# KiCad board rp2040-decoder.kicad_pcb (continued)
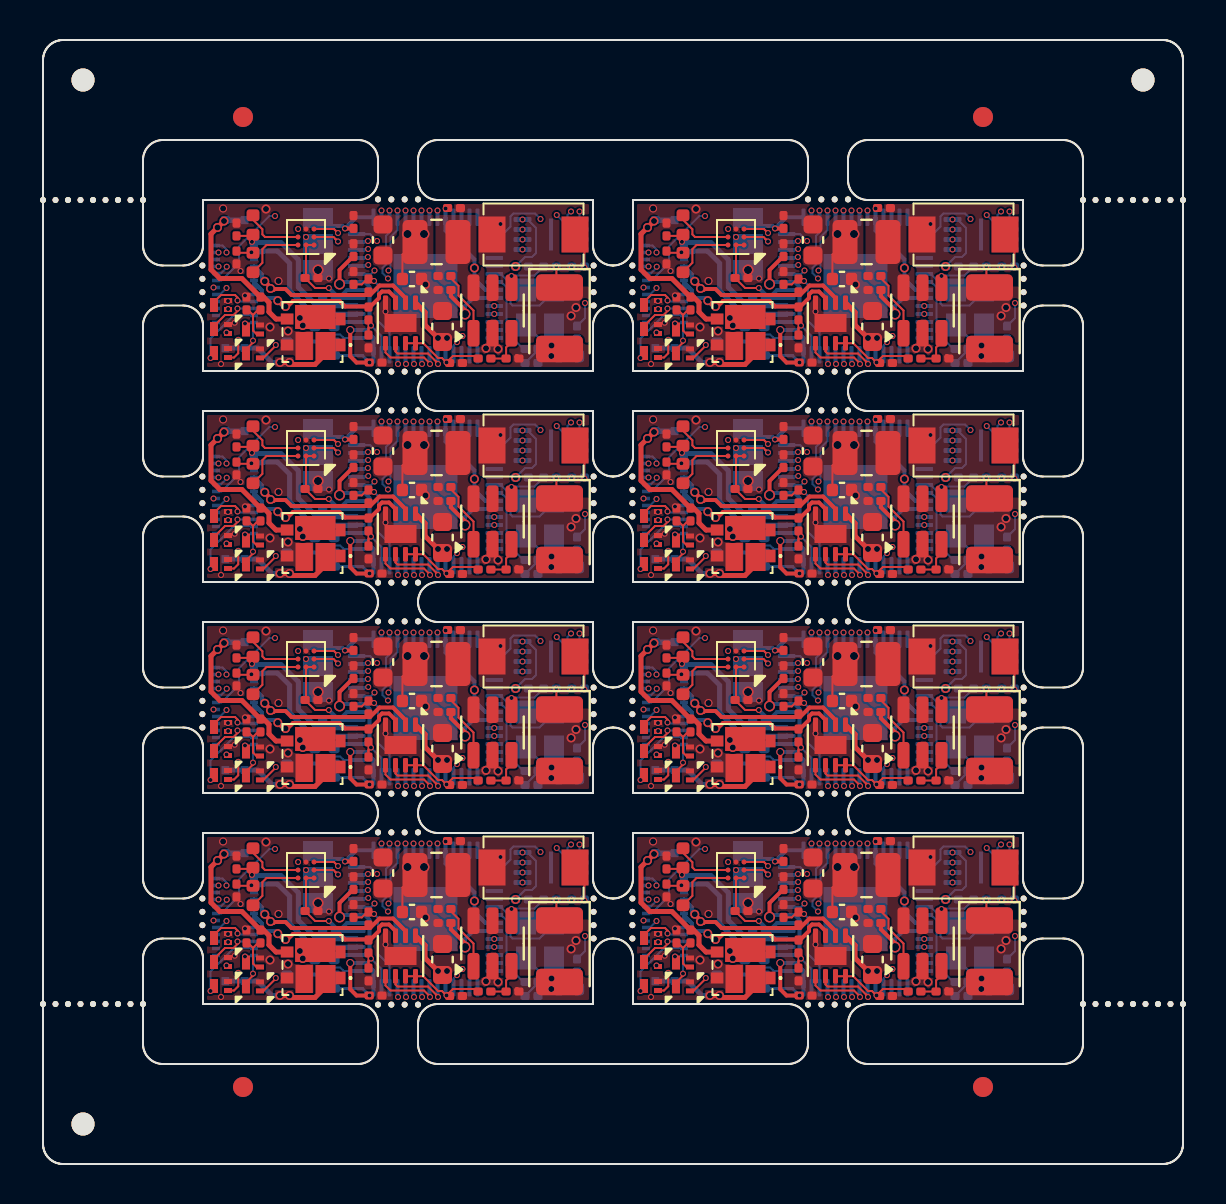
[diagram p0: board, top side]
## Routing (per net, layer and track width the routed paths; a pad name or vN(x,y) marks a point on that pad's centre or on a via; arc(x,y) is an arc through that point) (continued)
Board_3-/ADC_EMF_A: length 2.8
  Top w0.1: v3(37.9,31.37) 37.78,31.25 37.78,31.07 ; R11#8.1 R12.2
  Bottom w0.1: v3(37.9,31.37) 38.43,30.84 U3#8.41
Board_3-/ADC_EMF_B: length 5.2
  Top w0.1: v3(38.05,33.6) 37.89,33.76 37.78,33.76 37.44,33.43 R14#8.2
  Bottom w0.1: v3(38.05,33.6) 38.25,33.4 38.25,31.6 38.82,31.03 U3#8.40
Board_3-/AUX1 (VDC): length 3.6
  Bottom w0.1: v3(29.88,29.75) 29.88,30.73 31.05,31.9 32.03,31.9 J4#3.11
Board_3-/AUX2 (VDC): length 1.7
  Top w0.1: v3(32,30.62) 32,30.53 31.65,30.17 Q5#6.3
  Bottom w0.1: v3(32,30.62) 32,31.11 32.05,31.16 J4#3.12
Board_3-/AUX3: length 11.3
  In2.Cu w0.1: v3(39.62,37.12) 39.62,37.1 38.91,36.38 38.18,36.38 37.83,36.73 33.97,36.73 33.39,36.15 31.62,36.15 31.07,35.6 31.07,34.78 30.92,34.62 30.57,34.62 v3(30.28,34.33)
Board_3-/AUX4: length 12
  In2.Cu w0.1: v3(40.03,37.12) 40.03,37.1 39.11,36.18 38.09,36.18 37.75,36.53 34.05,36.53 33.47,35.95 31.71,35.95 31.28,35.52 31.28,34.65 30.94,34.31 v3(30.69,34.31)
  Bottom w0.1: J4#3.20 30.39,33.98 30.69,34.27 v3(30.69,34.31)
Board_3-/AUX10: length 10.6
  In2.Cu w0.1: v3(33.1,36.85) 33.63,37.38 38.03,37.38 38.43,36.98 v3(38.43,37.12)
  Bottom w0.1: v3(33.1,36.85) 32.82,36.85 31.3,35.33 31.3,34.5 30.42,33.62 J4#3.19
Board_3-/AUX11: length 19.7
  In2.Cu w0.1: v3(30.28,35.03) 30.28,35.37 31.46,36.55 33.23,36.55 33.8,37.12 38,37.12 38.34,36.78 38.51,36.78 38.72,37 38.72,37.2 38.83,37.1 v3(38.83,37.12) ; v3(44.06,31.95) 44.03,31.95 42.05,33.93 39,33.93 38.8,33.73 v3(38.75,33.73)
  Bottom w0.1: U3#8.3 38.82,36.03 38.65,35.86 38.65,34.42 38.47,34.25 38.47,34 v3(38.75,33.73)
Board_3-/AUX12: length 19.6
  In2.Cu w0.1: v3(30.68,35.03) 30.68,35.48 31.54,36.35 33.31,36.35 33.88,36.93 37.92,36.93 38.26,36.58 38.71,36.58 39.23,37.1 v3(39.23,37.13) ; v3(38.77,34.12) 42.13,34.12 43.91,32.35 v3(44.06,32.35)
  Bottom w0.1: U3#8.4 39.22,36.15 38.88,35.8 38.88,34.23 v3(38.77,34.12) ; v3(30.68,35.03) 30.68,35.17 30.47,35.38 J4#3.24
Board_3-/GPIO21: length 12.1
  In2.Cu w0.1: v3(31.6,31.48) 32.15,30.93 33.32,30.93 33.55,30.7 39.65,30.7 40.32,30.03 41.68,30.03 v3(42.2,30.54)
  Bottom w0.1: v3(42.2,30.54) 42.03,30.37 U3#8.32
Board_3-/GPIO22: length 2.9
  Top w0.1: v3(41.25,29.45) 41.18,29.45 41.15,29.47 41.15,29.57 40.75,29.98 39.22,29.98 39.12,30.08 U4#3.6
Board_3-/GPIO23: length 2.9
  Top w0.1: v3(40.85,29.45) 40.85,29.47 40.55,29.78 38.88,29.78 38.62,30.03 U4#3.5
Board_3-/GPIO24: length 11.5
  Top w0.1: v3(31.26,30.66) 31.26,29.99 31.05,29.78 30.75,29.78
  In2.Cu w0.1: v3(40.45,29.45) 40.45,29.47 39.42,30.5 33.46,30.5 33.26,30.7 33,30.7 32.43,30.12 31.78,30.12 31.26,30.64 v3(31.26,30.66)
Board_3-/GPIO25: length 8.4
  Top w0.1: v3(33.14,30.4) 33.14,30.37 32.52,29.76 Q5#6.1
  In2.Cu w0.1: v3(33.14,30.4) 33.24,30.3 39.22,30.3 40.05,29.47 v3(40.05,29.45)
Board_3-/GPIO26: length 11.4
  In2.Cu w0.1: v3(39.65,29.45) 39.65,29.47 39.02,30.1 33.11,30.1 32.94,29.93 31.13,29.93 30.88,30.18 30.88,30.8 30.97,30.9 30.97,31.15 30.8,31.33 30.75,31.33 v3(30.75,32.2)
Board_3-/GPIO27: length 9.9
  In2.Cu w0.1: v3(39.25,29.45) 38.8,29.9 33.19,29.9 33.02,29.73 31.05,29.73 30.68,30.1 v3(30.68,31.03)
Board_3-/I2S_BCLK: length 6.5
  Top w0.1: v3(36.25,36) 36.05,36.2 U5#5.C1
  In1.Cu w0.1: v3(40.82,37.12) 40.82,37.1 40.35,36.62 36.58,36.62 36.25,36.3 v3(36.25,36)
Board_3-/I2S_DIN: length 6.9
  Top w0.1: U5#5.B1 36.03,35.8 36.13,35.7 v3(36.25,35.58)
  In1.Cu w0.1: v3(41.22,37.12) 41.22,37.1 40.55,36.43 37.22,36.43 36.37,35.58 v3(36.25,35.58)
Board_3-/I2S_LRCLK: length 6.6
  In1.Cu w0.1: v3(40.43,37.12) 40.43,37.1 40.15,36.83 34.88,36.83 34.26,36.21 v3(34.26,36.2)
Board_3-/LAMP_FRONT: length 2.5
  Top w0.1: Q3#6.3 30.05,32.55 30.4,32.9 31.1,32.9 31.23,32.77 v3(31.23,32.62)
  Bottom w0.1: J4#3.9 31.28,32.58 v3(31.23,32.62)
Board_3-/LAMP_REAR: length 2.6
  Top w0.1: Q6#6.3 30.05,31.35 30.6,31.9 31.03,31.9 31.22,32.1 v3(31.22,32.23)
  Bottom w0.1: v3(31.22,32.23) J4#3.10
Board_3-/MOTOR_A: length 9.7
  Top w0.2: v4(33.24,32.62) 33.53,32.33 v4(33.62,32.33) 33.72,32.33 34,32.6 36.32,32.6 36.6,32.33 37.88,32.33 38.3,32.75 38.3,32.92 38.45,33.08 38.8,33.08 39.12,32.75 U4#3.3
  Bottom w0.2: v4(33.62,32.33) 33.53,32.33 v4(33.24,32.62) 33.11,32.75 32.6,32.75 32.45,32.9 32.45,33.12 32.05,33.53 J4#3.6 J4#3.7 32.05,33.31
Board_3-/MOTOR_B: length 9.8
  Top w0.2: U4#3.2 39.62,32.75 39,33.38 38.32,33.38 37.85,32.9 33.93,32.9 33.62,33.2 33.07,33.2 33.03,33.15 v4(32.59,33.59)
  Bottom w0.2: J4#3.5 J4#3.4 32.45,33.93 32.45,33.68 32.88,33.25 v4(32.88,33.23)
Board_3-/SPEAKER_N: length 9.1
  Top w0.1: C20#7.1 31.94,35.86 FB2#3.1 32,35.61
  Bottom w0.25: v3(31.95,35.55) 31.95,35.48 31.95,35.48 31.95,35.41 ; v3(31.95,35.55) 32.1,35.4 ; v3(31.95,35.55) 31.98,35.52 33.41,35.52 34.26,34.66 34.26,33.29 35.19,32.37 37.17,32.37 U3#8.47 ; v3(31.95,35.55) 31.97,35.55 32.1,35.43
Board_3-/SPEAKER_P: length 8.4
  Top w0.1: v3(31.92,35.03) 31.94,35.02 31.95,35.02 ; C22#8.1 31.26,35.01 FB1.1
  Bottom w0.25: 31.96,35 v3(31.92,35.03) 31.95,35.06 31.95,35.06 31.96,35.05 32.25,35.05 32.26,35.06 32.47,35.06 32.47,35.09 33.23,35.09 33.84,34.49 33.84,33.11 35.01,31.94 37.17,31.94 U3#8.46
Board_3-/TRACK_LEFT: length 9.9
  Top w0.25: 33.71,31.63 D1#4.3 33.15,31.7 32.8,32.05 32.8,32.53 32.53,32.8 R1#2.2 31.44,33.73 30.34,33.73 29.9,34.17 29.9,35.95 v4(30.55,36.6)
  Bottom w0.25: J4#3.X1B 30.63,36.65 J4#3.X1A 30.59,36.65 v4(30.55,36.6)
  vias: v4(30.22,36.28)
Board_3-/TRACK_RIGHT: length 6
  Top w0.25: D1#4.1 35.62,29.95 35.1,29.43 33.92,29.43 v4(33.82,29.53) v4(33.35,29.53)
  Bottom w0.25: J4#3.X2B J4#3.X2A 32.23,30.25 32.95,29.53 v4(33.35,29.53)
Board_3-GND: length 0.9
  Top w0.2: 30.75,32.62 v3(30.75,32.6)
  Top w0.25: R7#5.1 45.2,29.82 45.2,29.82 ; U2#2.2 43.97,30.56
  Top w0.4: v4(40.62,33.43) 40.43,33.62 C10#5.2
  vias: v1(35.25,34.15) v2(30.5,37.23) v2(33.28,33.6) v3(30.4,29.45) v3(31.09,31.51) v3(31.38,34.1) v3(31.6,32.88) v3(35.8,33.73) v3(38.62,32.08) v3(44.38,36.45) v4(32.65,37.2) v4(32.85,31.3) v4(33.75,31.1) v4(43.65,30.24) v4(44.25,30.2) v4(46.93,30.38) v4(46.91,29.85)
Board_3-Net-(C3-Pad1): length 2.4
  Bottom w0.1: Y1.1 46.25,30.8 R6#4.2 46.25,30.14 45.6,29.5
Board_3-Net-(D2-A): length 0.9
  Bottom w0.1: D2#6.2 48.2,29.91 R9#3.1
Board_3-Net-(JP1-C): length 0.7
  Bottom w0.1: JP1#3.2 34.9,35.8 v3(34.65,35.8)
Board_3-Net-(Q1-G): length 2.1
  Top w0.1: R2#3.2 31.75,32.16 32,31.91 ; 32,31.91 32,31.12 32.18,30.95 Q1#3.1 ; 32,31.91 32.25,32.16 R1#2.1
Board_3-Net-(R4-Pad2): length 1.8
  Top w0.1: v3(48.57,34.28) 48.57,35.46 SW1#7.2
Board_3-Net-(U1-CLK): length 9.7
  In2.Cu w0.1: v3(45.47,35.68) 45.78,35.38 45.78,35 45.65,34.88 45.35,34.88 45.25,34.98 41.74,34.98 41.42,34.65 38.02,34.65 37.77,34.4 v3(37.76,34.4)
  Bottom w0.1: v3(37.76,34.4) 37.71,34.35 U3#8.52
Board_3-Net-(U1-DI(IO0)): length 8.5
  In2.Cu w0.1: v3(45.47,35.18) 41.66,35.18 41.33,34.85 37.8,34.85 v3(37.75,34.8)
  Bottom w0.1: v3(37.75,34.8) 37.7,34.75 U3#8.53
Board_3-Net-(U1-DO(IO1)): length 13.2
  In2.Cu w0.1: v3(47.9,37.07) 47.78,37.2 43.12,37.2 41.17,35.25 38.13,35.25 37.78,35.6 v3(37.75,35.6)
  Bottom w0.1: v3(47.9,37.07) 47.72,36.9 47.72,36.4 47.95,36.18 48.32,36.18 ; v3(37.75,35.6) 37.6,35.6 37.55,35.55 U3#8.55
Board_3-Net-(U1-IO2): length 12.8
  In2.Cu w0.1: v3(47.19,36.9) 47.09,37 43.2,37 41.25,35.05 38.05,35.05 37.9,35.2 v3(37.75,35.2)
  Bottom w0.1: U3#8.54 37.51,35.15 37.56,35.2 v3(37.75,35.2) ; 48.32,35.68 48.02,35.68 47.5,36.2 47.5,36.59 v3(47.19,36.9)
Board_3-Net-(U1-IO3): length 10.8
  In2.Cu w0.1: v3(38.07,34.12) 38.4,34.45 41.5,34.45 41.8,34.75 45.19,34.75 45.27,34.68 45.75,34.68 45.97,34.9 45.97,35.7 45.47,36.2
  Bottom w0.1: v3(38.07,34.12) 37.9,33.95 U3#8.51
  vias: v3(45.47,36.18)
Board_3-Net-(U1-~{CS}): length 15.6
  In2.Cu w0.1: v3(38.2,35.6) 38.2,35.56 38.32,35.45 41.06,35.45 43.01,37.4 48,37.4 v3(48.32,37.08) 47.93,36.68 47.93,34.33 v3(47.93,34.33)
  Bottom w0.1: v3(38.2,35.6) 37.85,35.95 U3#8.56 ; v3(48.32,37.08) 48.32,36.68
Board_3-Net-(U2-BS): length 3.3
  Top w0.1: U2#2.1 43.03,32.12 42.28,32.87 42.28,33.36 41.9,33.74 41.9,33.85
Board_3-Net-(U2-EN): length 2.4
  Top w0.1: v3(44.93,33.85) U2#2.4
  Bottom w0.1: v3(44.93,33.85) 44.95,33.88 46.08,33.88 R5#3.2
Board_3-Net-(U2-FB): length 2.1
  Top w0.1: U2#2.3 44.93,30.55 44.66,30.28 R7#5.2 43.9,29.73
Board_3-Net-(U3-ADC_AVDD): length 2.8
  Bottom w0.1: U3#8.43 36.53,30.75 36.5,30.78 36.5,30.78 36.36,30.93 35.83,30.93 R10#2.2
  Bottom w0.2: 34.62,30.51 34.69,30.58 R10#2.2
Board_3-Net-(U3-GPIO12): length 9.6
  In2.Cu w0.1: v3(46.38,36.7) 47.63,35.45 47.63,33.55 48.6,32.57 v3(48.6,32.5)
  Bottom w0.1: v3(48.6,32.5) 48.6,31.75 R9#3.2 ; v3(46.38,36.7) 46.1,36.98 45.02,36.98 44.88,36.83 44.88,36.33 44.5,35.95 U3#8.15
Board_3-Net-(U3-XIN): length 5.9
  Bottom w0.1: U3#8.20 44.38,33.95 44.88,33.46 44.88,32.48 44.97,32.38 46.32,32.38 47.05,33.1 Y1.3 47.75,33.15 C1#3.1
Board_3-Net-(U3-XOUT): length 4.2
  Bottom w0.1: 45.6,30.2 45.53,30.2 44.68,31.05 44.68,33.28 44.41,33.55 U3#8.21
Board_3-Net-(U5-OUTN): length 3
  Top w0.1: U5#5.B3 32.6,35.8 32.47,35.93 32.47,36.19 32,36.66 FB2#3.2
Board_3-Net-(U5-OUTP): length 3.2
  Top w0.1: FB1.2 32.47,34.51 32.47,35.2 32.68,35.4 U5#5.A3
Board_3-VDC: length 8.7
  Top w0.1: C4#4.1 47.17,33.43 v3(47.17,34.33)
  Top w0.25: U4#3.1 40.6,32.04 40.6,31.4 v4(41.25,30.75) v4(41.7,30.75)
  In2.Cu w0.2: v3(30.68,33.25) 32,33.25 33.5,31.75 v4(34.35,31.75)
  Bottom w0.1: J4#3.17 30.35,32.93 v3(30.68,33.25)
  vias: v4(34.49,31.38) v4(47.91,31.85) v4(48.15,32.28)
Board_4-+1V1: length 17.4
  Top w0.2: 15.59,24.35 15.57,24.35 14.83,23.6 v1(14.83,22.9) ; v1(21.1,21.4) 21.1,21.58 20.4,22.29 20.4,22.6
  In2.Cu w0.4: v1(14.83,22.9) 15.38,22.35 20.3,22.35 21.1,21.55 v1(21.1,21.4)
  Bottom w0.2: v1(21.1,21.4) 21.1,21.8 21.5,22.2 U3#7.23 ; v1(14.83,22.9) 14.93,23 U3#7.50 16.08,23 16.32,22.75 16.32,21.25 16.08,21 U3#7.45 14.71,21 14.56,20.85
Board_4-+3.3V: length 42.9
  Top w0.1: v3(14.29,22.7) 13.6,22.7 13.1,23.2 13.15,23.25 U5#6.A2 U5#6.A1 ; v3(20.98,20.3) 21,20.28 ; U4#2.7 19.02,19.94 19.76,19.2 19.95,19.2 20.17,18.98 v3(20.18,18.98) 20.5,19.3 21.63,19.3 R8#8.1 ; C10.1 17.97,24.37 L1#8.2 ; v3(16.32,18.98) C13.1
  Top w0.2: v2(15.36,20.6) 15.36,19.29 15.68,18.98 C13.1 ; C17#2.1 15.52,25.68 v3(15.1,25.68)
  In1.Cu w0.2: v3(14.29,22.7) 14.29,21.67 v2(15.36,20.6)
  In1.Cu w0.25: v3(20.98,20.3) 21.07,20.2 21.07,19.84 20.51,19.28 19.93,19.28 ; 19.93,19.28 20.18,19.03 v3(20.18,18.98) ; 19.93,19.28 16.62,19.28 v3(16.32,18.98)
  In2.Cu w0.1: v4(23.63,23.78) 23.56,23.7 v4(21.57,23.7)
  Bottom w0.1: v4(23.63,23.78) 24.1,24.25 24.45,24.25 24.65,24.45 24.65,25.7 24.23,26.12 v3(23.97,26.12)
  Bottom w0.15: 16.16,19.14 16.25,19.05 16.47,19.05 ; 16.16,19.14 15.97,19.33 C11#3.1 R10.1 ; 16.16,19.14 v3(16.32,18.98)
  Bottom w0.2: U3#7.44 16.12,20.6 16.53,20.2 U3#7.42 ; 13.93,26.03 JP1#2.3 14.15,25.8 14.98,25.8 v3(15.1,25.68) 15.66,26.24 U3#7.1 ; 14,26.23 14.32,26.55 ; 15.58,22.2 14.8,22.2 ; 14.8,22.2 15.2,22.6 U3#7.49 ; 14.8,22.2 14.75,22.25 C12#4.1 14.62,22.37 v3(14.29,22.7) ; U3#7.10 20.12,25.58 21.57,24.13 v4(21.57,23.7) 21.57,23.15 22.12,22.6 U3#7.22
  vias: v1(18.22,25.4) v1(19.05,25.4) v3(8.53,22.73) v3(20.13,26.68)
Board_4-/ADC_EMF_A: length 2.8
  Top w0.1: v3(16.4,20.82) 16.28,20.7 16.28,20.52 ; R11.1 R12#3.2
  Bottom w0.1: v3(16.4,20.82) 16.93,20.29 U3#7.41
Board_4-/ADC_EMF_B: length 5.2
  Top w0.1: R14#7.2 15.94,22.88 16.28,23.21 16.39,23.21 v3(16.55,23.05)
  Bottom w0.1: U3#7.40 17.32,20.48 16.75,21.05 16.75,22.85 v3(16.55,23.05)
Board_4-/AUX1 (VDC): length 3.6
  Bottom w0.1: v3(8.38,19.2) 8.38,20.18 9.55,21.35 10.53,21.35 J4.11
Board_4-/AUX2 (VDC): length 1.7
  Top w0.1: v3(10.5,20.07) 10.5,19.98 10.15,19.62 Q5#3.3
  Bottom w0.1: J4.12 10.55,20.61 10.5,20.56 v3(10.5,20.07)
Board_4-/AUX3: length 11.3
  In2.Cu w0.1: v3(18.12,26.58) 18.12,26.55 17.41,25.83 16.68,25.83 16.33,26.18 12.47,26.18 11.89,25.6 10.12,25.6 9.57,25.05 9.57,24.23 9.42,24.07 9.07,24.07 v3(8.78,23.78)
Board_4-/AUX4: length 12
  In2.Cu w0.1: v3(18.53,26.58) 18.53,26.55 17.61,25.63 16.59,25.63 16.25,25.98 12.55,25.98 11.97,25.4 10.21,25.4 9.78,24.97 9.78,24.1 9.44,23.76 v3(9.19,23.76)
  Bottom w0.1: J4.20 8.89,23.43 9.19,23.72 v3(9.19,23.76)
Board_4-/AUX10: length 10.6
  In2.Cu w0.1: v3(16.93,26.58) 16.93,26.43 16.53,26.83 12.13,26.83 v3(11.6,26.3)
  Bottom w0.1: v3(11.6,26.3) 11.32,26.3 9.8,24.78 9.8,23.95 8.92,23.08 J4.19
Board_4-/AUX11: length 19.7
  In2.Cu w0.1: v3(17.25,23.18) 17.3,23.18 17.5,23.38 20.55,23.38 22.53,21.4 v3(22.56,21.4) ; v3(8.78,24.48) 8.78,24.82 9.96,26 11.73,26 12.3,26.58 16.5,26.58 16.84,26.23 17.01,26.23 17.22,26.45 17.22,26.65 17.33,26.55 v3(17.33,26.57)
  Bottom w0.1: U3#7.3 17.32,25.48 17.15,25.31 17.15,23.87 16.97,23.7 16.97,23.45 v3(17.25,23.18)
Board_4-/AUX12: length 19.6
  In2.Cu w0.1: v3(17.27,23.58) 20.63,23.58 22.41,21.8 v3(22.56,21.8) ; v3(9.18,24.48) 9.18,24.93 10.04,25.8 11.81,25.8 12.38,26.38 16.42,26.38 16.76,26.03 17.21,26.03 17.73,26.55 v3(17.73,26.58)
  Bottom w0.1: v3(9.18,24.48) 9.18,24.62 8.97,24.83 J4.24 ; v3(17.27,23.58) 17.38,23.68 17.38,25.25 17.72,25.6 U3#7.4
Board_4-/GPIO21: length 12.1
  In2.Cu w0.1: v3(20.7,19.99) 20.18,19.48 18.82,19.48 18.15,20.15 12.05,20.15 11.82,20.38 10.65,20.38 v3(10.1,20.93)
  Bottom w0.1: U3#7.32 20.53,19.82 v3(20.7,19.99)
Board_4-/GPIO22: length 2.9
  Top w0.1: U4#2.6 17.62,19.53 17.72,19.43 19.25,19.43 19.65,19.02 19.65,18.92 19.68,18.9 v3(19.75,18.9)
Board_4-/GPIO23: length 2.9
  Top w0.1: U4#2.5 17.12,19.48 17.38,19.23 19.05,19.23 19.35,18.92 v3(19.35,18.9)
Board_4-/GPIO24: length 11.5
  Top w0.1: Q2.1 9.55,19.23 9.76,19.44 v3(9.76,20.11)
  In2.Cu w0.1: v3(9.76,20.11) 9.76,20.09 10.28,19.58 10.93,19.58 11.5,20.15 11.76,20.15 11.96,19.95 17.92,19.95 18.95,18.92 v3(18.95,18.9)
Board_4-/GPIO25: length 8.4
  Top w0.1: v3(11.64,19.85) 11.64,19.82 11.02,19.21 Q5#3.1
  In2.Cu w0.1: v3(18.55,18.9) 18.55,18.92 17.72,19.75 11.74,19.75 v3(11.64,19.85)
Board_4-/GPIO26: length 11.4
  In2.Cu w0.1: v3(9.25,21.65) 9.25,20.78 9.3,20.78 9.47,20.6 9.47,20.35 9.38,20.25 9.38,19.63 9.63,19.38 11.44,19.38 11.61,19.55 17.52,19.55 18.15,18.92 v3(18.15,18.9)
Board_4-/GPIO27: length 9.9
  In2.Cu w0.1: v3(9.18,20.48) 9.18,19.55 9.55,19.18 11.52,19.18 11.69,19.35 17.3,19.35 v3(17.75,18.9)
Board_4-/I2S_BCLK: length 6.5
  Top w0.1: v3(14.75,25.45) 14.55,25.65 U5#6.C1
  In1.Cu w0.1: v3(19.32,26.58) 19.32,26.55 18.85,26.08 15.08,26.08 14.75,25.75 v3(14.75,25.45)
Board_4-/I2S_DIN: length 6.9
  Top w0.1: v3(14.75,25.03) 14.63,25.15 14.53,25.25 U5#6.B1
  In1.Cu w0.1: v3(19.72,26.58) 19.72,26.55 19.05,25.88 15.72,25.88 14.87,25.03 v3(14.75,25.03)
Board_4-/I2S_LRCLK: length 6.6
  In1.Cu w0.1: v3(18.93,26.58) 18.93,26.55 18.65,26.28 13.38,26.28 12.76,25.66 v3(12.76,25.65)
Board_4-/LAMP_FRONT: length 2.5
  Top w0.1: v3(9.73,22.07) 9.73,22.22 9.6,22.35 8.9,22.35 8.55,22 Q3#3.3
  Bottom w0.1: J4.9 9.78,22.03 v3(9.73,22.07)
Board_4-/LAMP_REAR: length 2.6
  Top w0.1: v3(9.72,21.68) 9.72,21.55 9.53,21.35 9.1,21.35 8.55,20.8 Q6#7.3
  Bottom w0.1: v3(9.72,21.68) J4.10
Board_4-/MOTOR_A: length 9.7
  Top w0.2: v4(11.74,22.07) 12.03,21.78 v4(12.12,21.78) 12.22,21.78 12.5,22.05 14.82,22.05 15.1,21.78 16.38,21.78 16.8,22.2 16.8,22.37 16.95,22.53 17.3,22.53 17.62,22.2 U4#2.3
  Bottom w0.2: v4(12.12,21.78) 12.03,21.78 v4(11.74,22.07) 11.61,22.2 11.1,22.2 10.95,22.35 10.95,22.58 10.55,22.98 J4.6 10.55,22.73 10.55,22.76
Board_4-/MOTOR_B: length 9.8
  Top w0.2: U4#2.2 18.12,22.2 17.5,22.83 16.82,22.83 16.35,22.35 12.43,22.35 12.12,22.65 11.57,22.65 11.53,22.6 v4(11.09,23.04)
  Bottom w0.2: v4(11.38,22.68) 11.38,22.7 10.95,23.12 10.95,23.38 J4.4 J4.5
Board_4-/SPEAKER_N: length 9.1
  Top w0.1: 10.5,25.06 FB2#2.1 10.44,25.3 C20#2.1
  Bottom w0.25: 10.6,24.85 v3(10.45,25) ; v3(10.45,25) 10.47,25 10.6,24.88 ; v3(10.45,25) 10.48,24.97 11.91,24.97 12.76,24.11 12.76,22.74 13.69,21.82 15.67,21.82 U3#7.47 ; v3(10.45,25) 10.45,24.93 10.45,24.93 10.45,24.86
Board_4-/SPEAKER_P: length 8.4
  Top w0.1: v3(10.42,24.48) 10.44,24.47 10.45,24.47 ; C22#7.1 9.76,24.46 FB1#6.1
  Bottom w0.25: 10.46,24.45 v3(10.42,24.48) 10.45,24.51 10.45,24.51 10.46,24.5 10.75,24.5 10.76,24.51 10.97,24.51 10.97,24.54 11.73,24.54 12.34,23.94 12.34,22.56 13.51,21.39 15.67,21.39 U3#7.46
Board_4-/TRACK_LEFT: length 9.9
  Top w0.25: 12.21,21.08 D1.3 11.65,21.15 11.3,21.5 11.3,21.98 11.03,22.25 R1#4.2 9.94,23.18 8.84,23.18 8.4,23.62 8.4,25.4 v4(9.05,26.05)
  Bottom w0.25: v4(9.05,26.05) 9.09,26.1 J4.X1A 9.13,26.1 J4.X1B
  vias: v4(8.72,25.73)
Board_4-/TRACK_RIGHT: length 6
  Top w0.25: v4(11.85,18.98) v4(12.32,18.98) 12.42,18.88 13.6,18.88 14.12,19.4 D1.1
  Bottom w0.25: J4.X2B J4.X2A 10.73,19.7 11.45,18.98 v4(11.85,18.98)
Board_4-GND: length 0.9
  Top w0.2: Q3#3.2 v3(9.25,22.05)
  Top w0.25: U2#6.2 22.47,20.01 ; R7#6.1 23.7,19.27 23.7,19.27
  Top w0.4: v4(19.12,22.88) 18.93,23.07 C10.2
  vias: v1(13.75,23.6) v2(9,26.68) v2(11.78,23.05) v3(8.9,18.9) v3(9.59,20.96) v3(9.88,23.55) v3(10.1,22.33) v3(14.3,23.18) v3(17.12,21.53) v3(22.88,25.9) v4(11.15,26.65) v4(11.35,20.75) v4(12.25,20.55) v4(22.15,19.69) v4(22.75,19.65) v4(25.43,19.83) v4(25.41,19.3)
Board_4-Net-(C3-Pad1): length 2.4
  Bottom w0.1: Y1#3.1 24.75,20.26 R6#7.2 24.75,19.59 24.1,18.95
Board_4-Net-(D2-A): length 0.9
  Bottom w0.1: R9#6.1 26.7,19.36 D2#3.2
Board_4-Net-(JP1-C): length 0.7
  Bottom w0.1: v3(13.15,25.25) 13.4,25.25 JP1#2.2
Board_4-Net-(Q1-G): length 2.1
  Top w0.1: 10.5,21.36 10.25,21.61 R2#6.2 ; 10.5,21.36 10.5,20.58 10.68,20.4 Q1#7.1 ; 10.5,21.36 10.75,21.61 R1#4.1
Board_4-Net-(R4-Pad2): length 1.8
  Top w0.1: v3(27.07,23.73) 27.07,24.91 SW1#3.2
Board_4-Net-(U1-CLK): length 9.7
  In2.Cu w0.1: v3(23.97,25.12) 24.28,24.83 24.28,24.45 24.15,24.33 23.85,24.33 23.75,24.43 20.24,24.43 19.92,24.1 16.52,24.1 16.27,23.85 v3(16.26,23.85)
  Bottom w0.1: v3(16.26,23.85) 16.21,23.8 U3#7.52
Board_4-Net-(U1-DI(IO0)): length 8.5
  In2.Cu w0.1: v3(16.25,24.25) 16.3,24.3 19.83,24.3 20.16,24.62 v3(23.97,24.62)
  Bottom w0.1: U3#7.53 16.2,24.2 v3(16.25,24.25)
Board_4-Net-(U1-DO(IO1)): length 13.2
  In2.Cu w0.1: v3(26.4,26.52) 26.28,26.65 21.62,26.65 19.67,24.7 16.63,24.7 16.28,25.05 v3(16.25,25.05)
  Bottom w0.1: U3#7.55 16.05,25 16.1,25.05 v3(16.25,25.05) ; v3(26.4,26.52) 26.22,26.35 26.22,25.85 26.45,25.62 26.82,25.62
Board_4-Net-(U1-IO2): length 12.8
  In2.Cu w0.1: v3(16.25,24.65) 16.4,24.65 16.55,24.5 19.75,24.5 21.7,26.45 25.59,26.45 v3(25.69,26.35)
  Bottom w0.1: v3(25.69,26.35) 26,26.04 26,25.65 26.52,25.12 26.82,25.12 ; U3#7.54 16.01,24.6 16.06,24.65 v3(16.25,24.65)
Board_4-Net-(U1-IO3): length 10.8
  In2.Cu w0.1: 23.97,25.65 24.47,25.15 24.47,24.35 24.25,24.12 23.77,24.12 23.69,24.2 20.3,24.2 20,23.9 16.9,23.9 v3(16.57,23.58)
  Bottom w0.1: v3(16.57,23.58) 16.4,23.4 U3#7.51
  vias: v3(23.97,25.62)
Board_4-Net-(U1-~{CS}): length 15.6
  In2.Cu w0.1: v3(26.43,23.78) 26.43,23.78 26.43,26.12 v3(26.82,26.53) 26.5,26.85 21.51,26.85 19.56,24.9 16.82,24.9 16.7,25.01 v3(16.7,25.05)
  Bottom w0.1: U3#7.56 16.35,25.4 v3(16.7,25.05) ; v3(26.82,26.53) 26.82,26.12
Board_4-Net-(U2-BS): length 3.3
  Top w0.1: 20.4,23.3 20.4,23.19 20.78,22.81 20.78,22.32 21.53,21.57 U2#6.1
Board_4-Net-(U2-EN): length 2.4
  Top w0.1: v3(23.43,23.3) U2#6.4
  Bottom w0.1: R5#8.2 24.58,23.33 23.45,23.33 v3(23.43,23.3)
Board_4-Net-(U2-FB): length 2.1
  Top w0.1: 22.4,19.18 R7#6.2 23.16,19.73 23.43,20 U2#6.3
Board_4-Net-(U3-ADC_AVDD): length 2.8
  Bottom w0.1: R10.2 14.33,20.38 14.86,20.38 15,20.23 15,20.23 15.03,20.2 U3#7.43
  Bottom w0.2: R10.2 13.19,20.03 13.12,19.96
Board_4-Net-(U3-GPIO12): length 9.6
  In2.Cu w0.1: v3(24.88,26.15) 26.13,24.9 26.13,23 27.1,22.02 v3(27.1,21.95)
  Bottom w0.1: U3#7.15 23,25.4 23.38,25.78 23.38,26.28 23.52,26.43 24.6,26.43 v3(24.88,26.15) ; R9#6.2 27.1,21.2 v3(27.1,21.95)
Board_4-Net-(U3-XIN): length 5.9
  Bottom w0.1: C1#4.1 26.25,22.6 Y1#3.3 25.55,22.55 24.82,21.83 23.47,21.83 23.38,21.93 23.38,22.91 22.88,23.4 U3#7.20
Board_4-Net-(U3-XOUT): length 4.2
  Bottom w0.1: 24.1,19.65 24.03,19.65 23.18,20.5 23.18,22.73 22.91,23 U3#7.21
Board_4-Net-(U5-OUTN): length 3
  Top w0.1: U5#6.B3 11.1,25.25 10.97,25.38 10.97,25.64 10.5,26.11 FB2#2.2
Board_4-Net-(U5-OUTP): length 3.2
  Top w0.1: FB1#6.2 10.97,23.96 10.97,24.65 11.18,24.85 U5#6.A3
Board_4-VDC: length 8.7
  Top w0.1: v3(25.67,23.78) 25.67,22.88 C4#6.1
  Top w0.25: U4#2.1 19.1,21.49 19.1,20.85 v4(19.75,20.2) v4(20.2,20.2)
  In2.Cu w0.2: v3(9.18,22.7) 10.5,22.7 12,21.2 v4(12.85,21.2)
  Bottom w0.1: v3(9.18,22.7) 8.85,22.38 J4.17
  vias: v4(12.99,20.83) v4(26.41,21.3) v4(26.65,21.73)
Board_5-+1V1: length 17.4
  Top w0.2: v1(36.33,22.9) 36.33,23.6 37.07,24.35 37.09,24.35 ; 41.9,22.6 41.9,22.29 42.6,21.58 v1(42.6,21.4)
  In2.Cu w0.4: v1(36.33,22.9) 36.88,22.35 41.8,22.35 42.6,21.55 v1(42.6,21.4)
  Bottom w0.2: U3#6.23 43,22.2 42.6,21.8 v1(42.6,21.4) ; v1(36.33,22.9) 36.43,23 U3#6.50 37.58,23 37.82,22.75 37.82,21.25 37.58,21 U3#6.45 36.21,21 36.06,20.85
Board_5-+3.3V: length 42.9
  Top w0.1: U4#7.7 40.52,19.94 41.26,19.2 41.45,19.2 41.67,18.98 v3(41.68,18.98) 42,19.3 43.13,19.3 R8.1 ; L1#3.2 39.47,24.37 C10#3.1 ; U5#7.A1 U5#7.A2 34.65,23.25 34.6,23.2 35.1,22.7 v3(35.79,22.7) ; v3(42.48,20.3) 42.5,20.28 ; v3(37.82,18.98) C13#8.1
  Top w0.2: C17#5.1 37.02,25.68 v3(36.6,25.68) ; v2(36.86,20.6) 36.86,19.29 37.18,18.98 C13#8.1
  In1.Cu w0.2: v2(36.86,20.6) 35.79,21.67 v3(35.79,22.7)
  In1.Cu w0.25: v3(37.82,18.98) 38.12,19.28 41.43,19.28 ; 41.43,19.28 42.01,19.28 42.57,19.84 42.57,20.2 v3(42.48,20.3) ; 41.43,19.28 41.68,19.03 v3(41.68,18.98)
  In2.Cu w0.1: v4(43.07,23.7) 45.06,23.7 v4(45.13,23.78)
  Bottom w0.1: v4(45.13,23.78) 45.6,24.25 45.95,24.25 46.15,24.45 46.15,25.7 45.73,26.12 v3(45.47,26.12)
  Bottom w0.15: R10#8.1 C11.1 37.47,19.33 37.66,19.14 ; 37.66,19.14 v3(37.82,18.98) ; 37.66,19.14 37.75,19.05 37.97,19.05
  Bottom w0.2: U3#6.22 43.62,22.6 43.07,23.15 v4(43.07,23.7) 43.07,24.13 41.62,25.58 U3#6.10 ; 36.3,22.2 36.25,22.25 C12.1 36.12,22.37 v3(35.79,22.7) ; 36.3,22.2 36.7,22.6 U3#6.49 ; 36.3,22.2 37.08,22.2 ; U3#6.1 37.16,26.24 v3(36.6,25.68) 36.48,25.8 35.65,25.8 JP1#5.3 35.43,26.03 ; 35.5,26.23 35.82,26.55 ; U3#6.42 38.03,20.2 37.62,20.6 U3#6.44
  vias: v1(39.72,25.4) v1(40.55,25.4) v3(30.03,22.73) v3(41.63,26.68)
Board_5-/ADC_EMF_A: length 2.8
  Top w0.1: R11#6.1 R12#5.2 ; 37.78,20.52 37.78,20.7 v3(37.9,20.82)
  Bottom w0.1: U3#6.41 38.43,20.29 v3(37.9,20.82)
Board_5-/ADC_EMF_B: length 5.2
  Top w0.1: v3(38.05,23.05) 37.89,23.21 37.78,23.21 37.44,22.88 R14#2.2
  Bottom w0.1: v3(38.05,23.05) 38.25,22.85 38.25,21.05 38.82,20.48 U3#6.40
Board_5-/AUX1 (VDC): length 3.6
  Bottom w0.1: v3(29.88,19.2) 29.88,20.18 31.05,21.35 32.03,21.35 J4#2.11
Board_5-/AUX2 (VDC): length 1.7
  Top w0.1: Q5.3 31.65,19.62 32,19.98 v3(32,20.07)
  Bottom w0.1: J4#2.12 32.05,20.61 32,20.56 v3(32,20.07)
Board_5-/AUX3: length 11.3
  In2.Cu w0.1: v3(30.28,23.78) 30.57,24.07 30.92,24.07 31.07,24.23 31.07,25.05 31.62,25.6 33.39,25.6 33.97,26.18 37.83,26.18 38.18,25.83 38.91,25.83 39.62,26.55 v3(39.62,26.58)
Board_5-/AUX4: length 12
  In2.Cu w0.1: v3(40.03,26.58) 40.03,26.55 39.11,25.63 38.09,25.63 37.75,25.98 34.05,25.98 33.47,25.4 31.71,25.4 31.28,24.97 31.28,24.1 30.94,23.76 v3(30.69,23.76)
  Bottom w0.1: v3(30.69,23.76) 30.69,23.72 30.39,23.43 J4#2.20
Board_5-/AUX10: length 10.6
  In2.Cu w0.1: v3(33.1,26.3) 33.63,26.83 38.03,26.83 38.43,26.43 v3(38.43,26.58)
  Bottom w0.1: v3(33.1,26.3) 32.82,26.3 31.3,24.78 31.3,23.95 30.42,23.08 J4#2.19
Board_5-/AUX11: length 19.7
  In2.Cu w0.1: v3(38.75,23.18) 38.8,23.18 39,23.38 42.05,23.38 44.03,21.4 v3(44.06,21.4) ; v3(30.28,24.48) 30.28,24.82 31.46,26 33.23,26 33.8,26.58 38,26.58 38.34,26.23 38.51,26.23 38.72,26.45 38.72,26.65 38.83,26.55 v3(38.83,26.57)